# Altium PCB rt10.PcbDoc (part 1 of 3)
Units mm, origin at the board's own origin, x right, y up, seen from the top; angles counter-clockwise.
Board outline 35.56 x 44.45 mm, 8 copper layers (Top, L2, L3, L4, L5, L6, L7, Bottom), stack 1.19 mm thick; 220 components, 216 nets, 974 pads, 557 vias.
Unrouted connection lines stored in the file: 1.
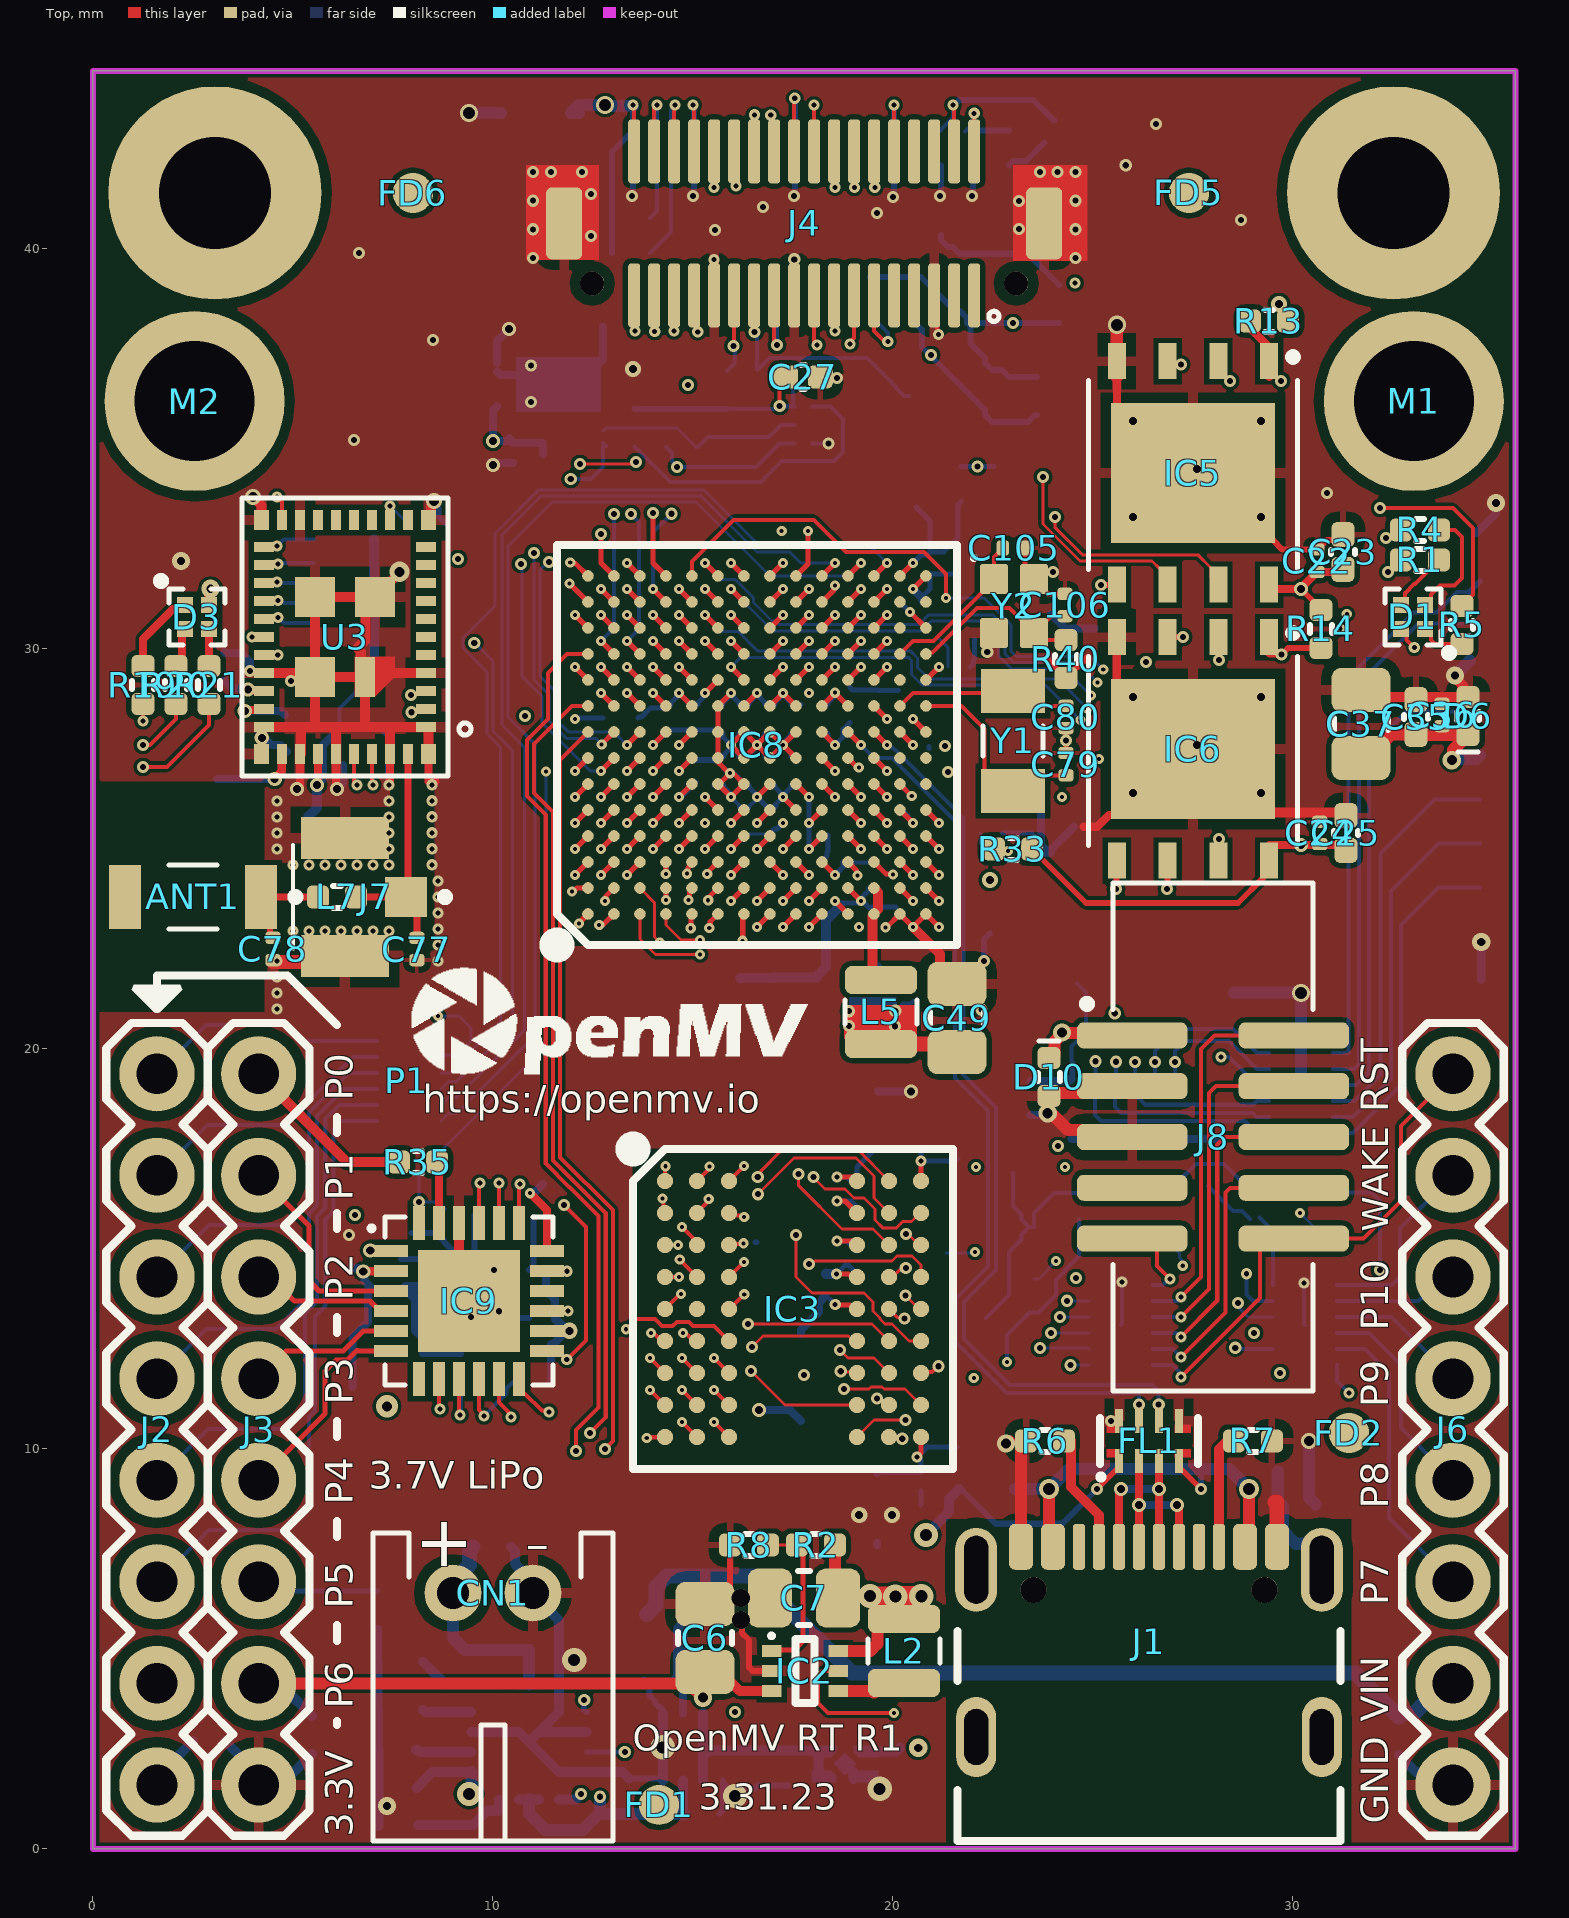
[diagram p0: Top view]
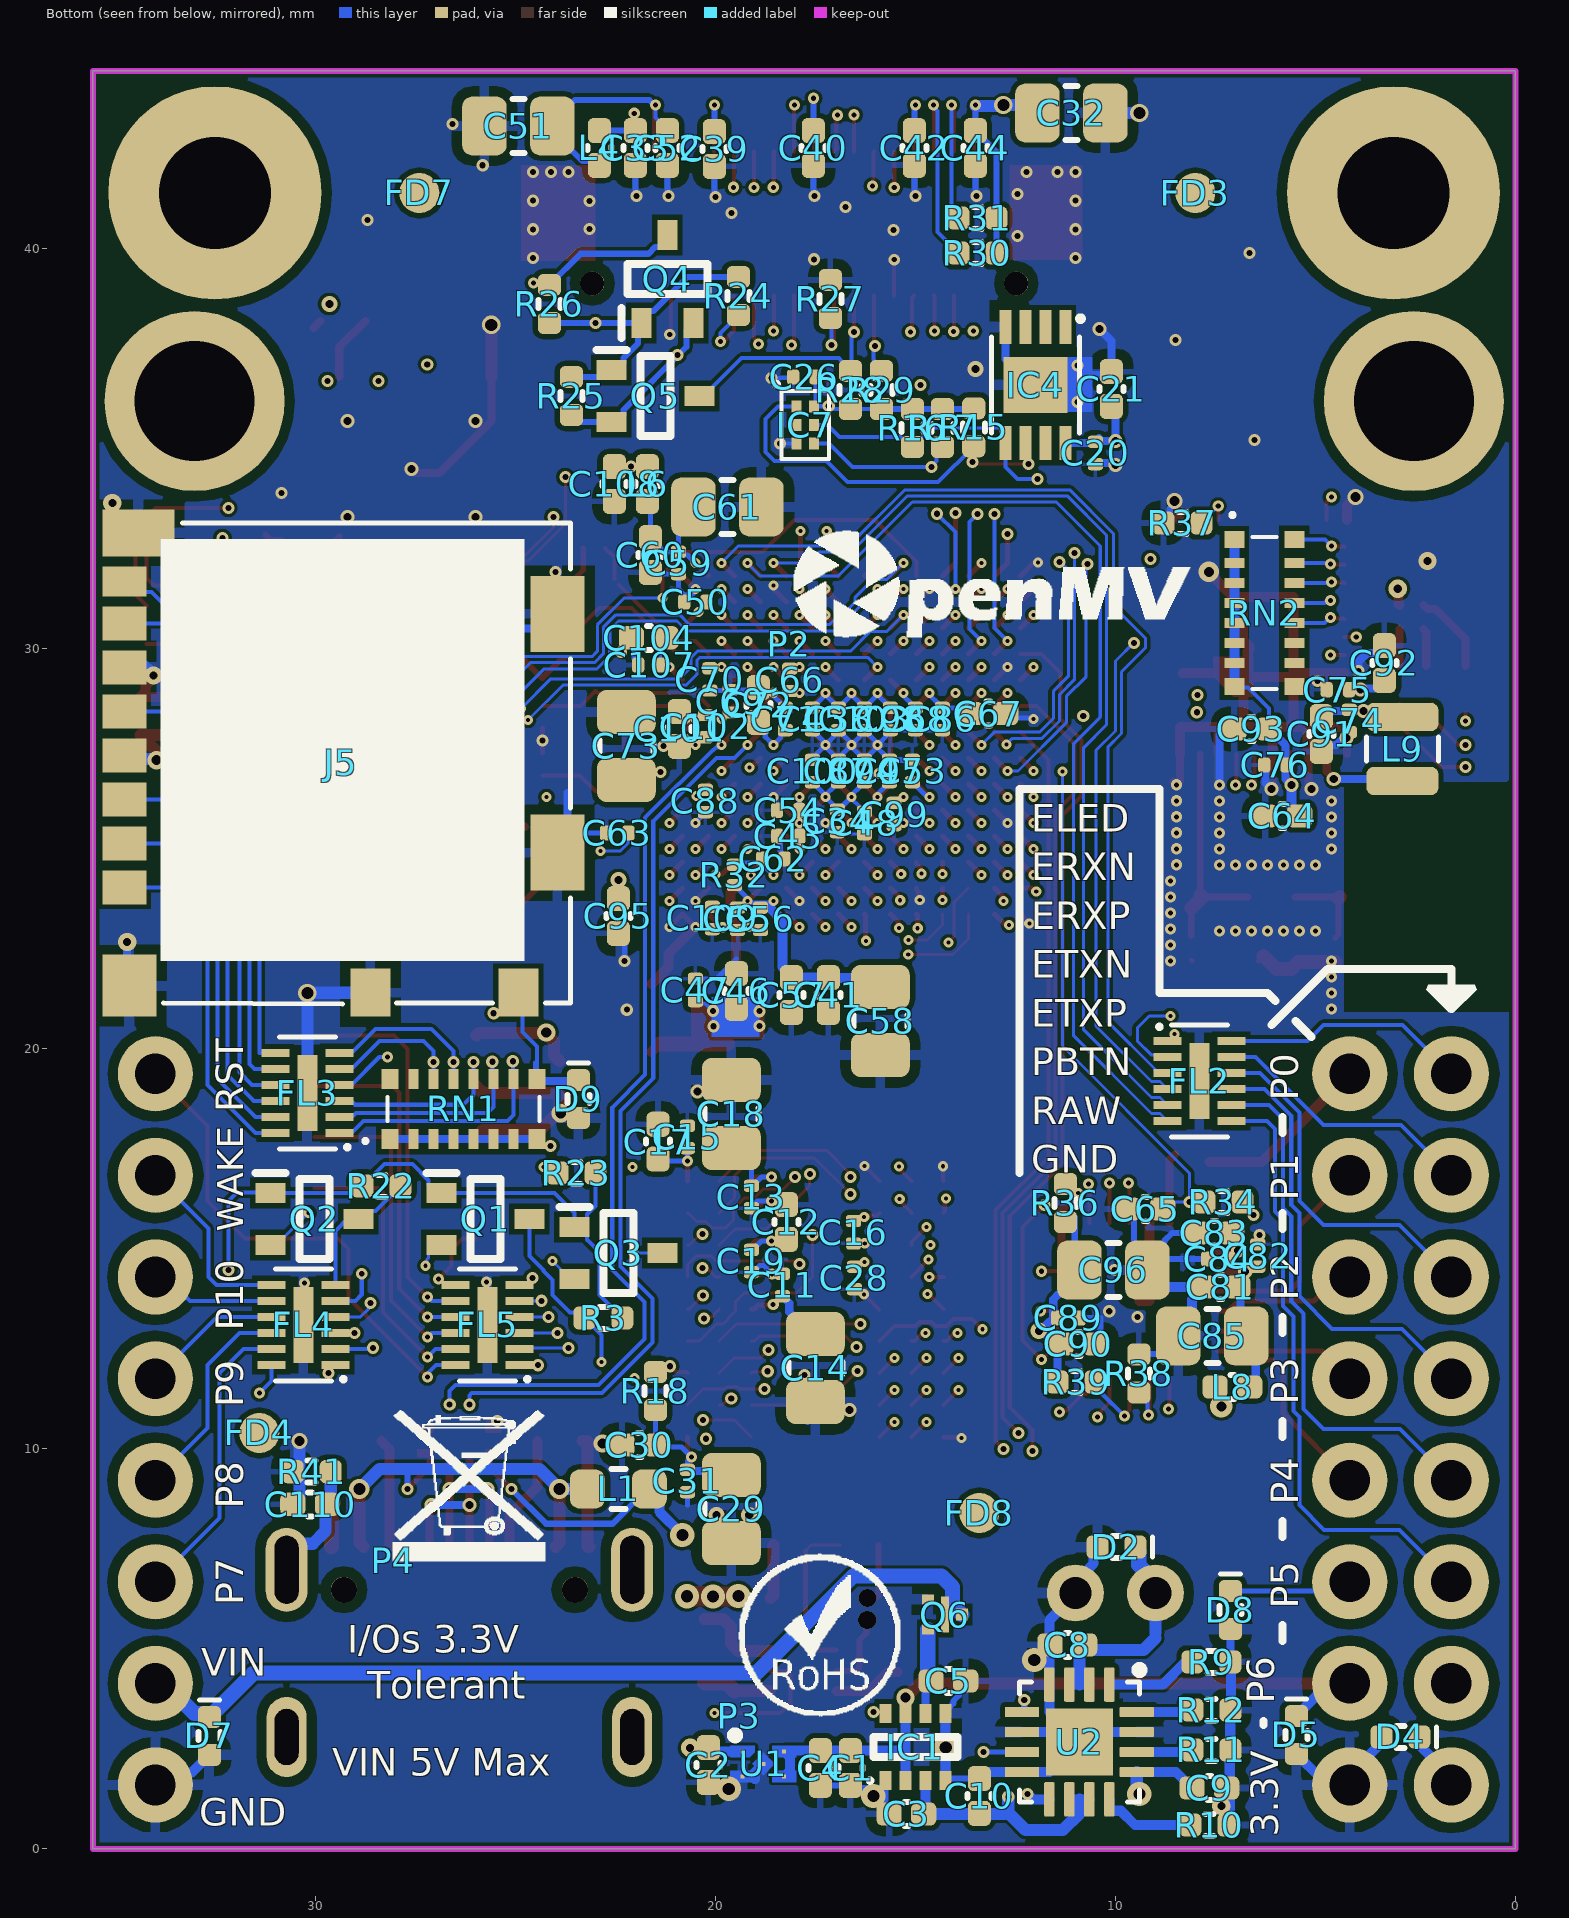
[diagram p1: Bottom view, seen from below]
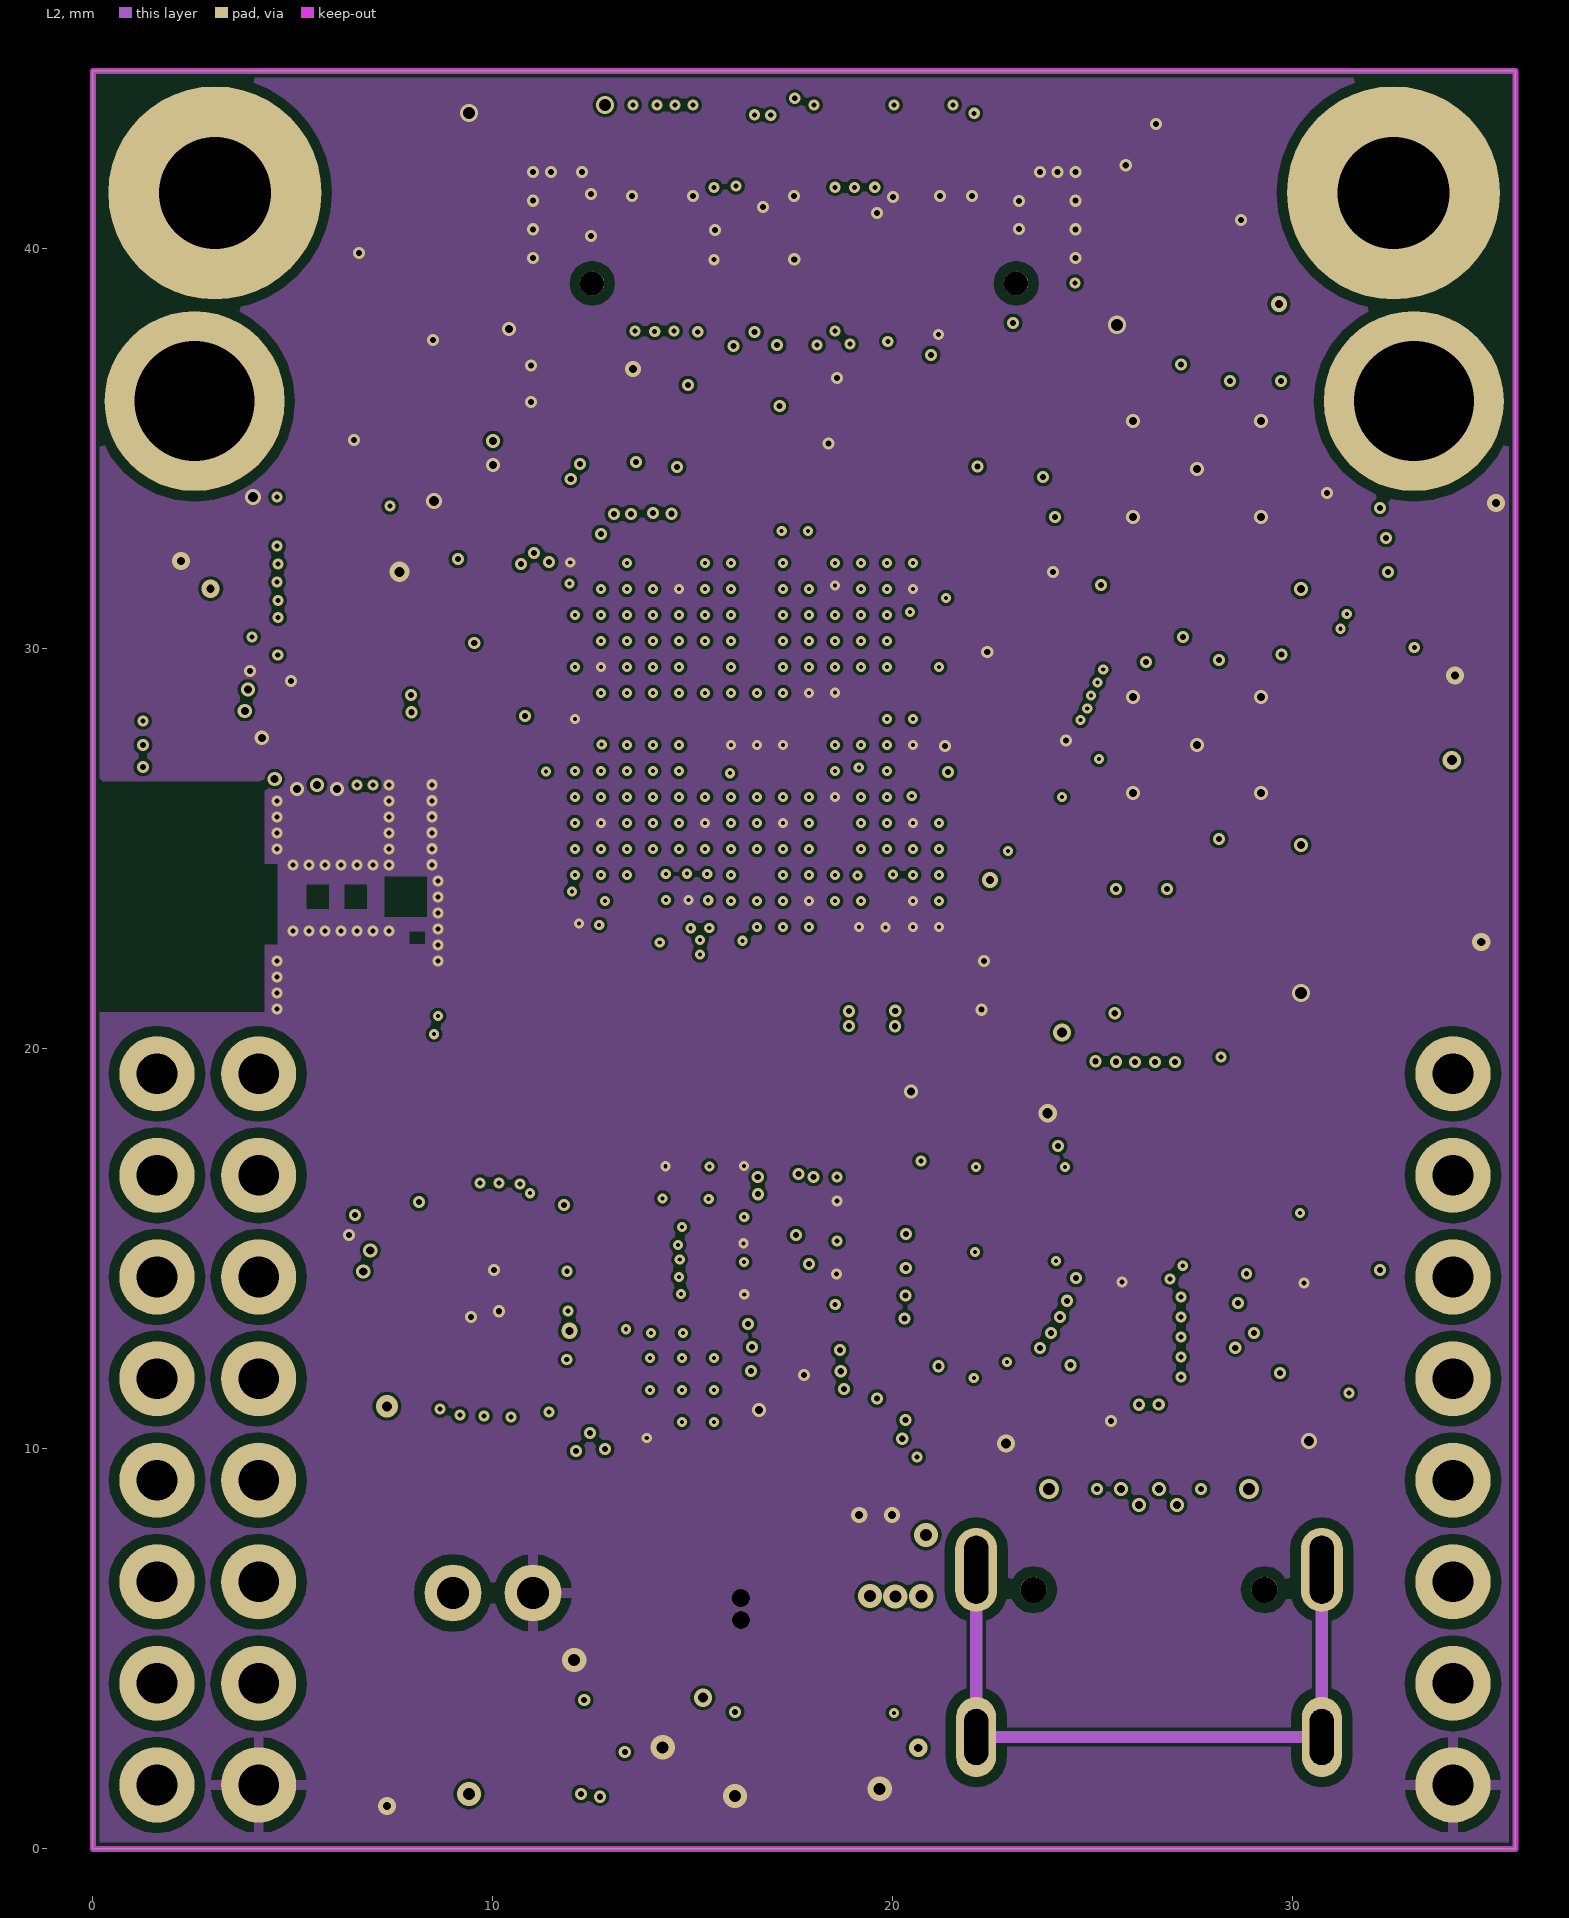
[diagram p2: L2]
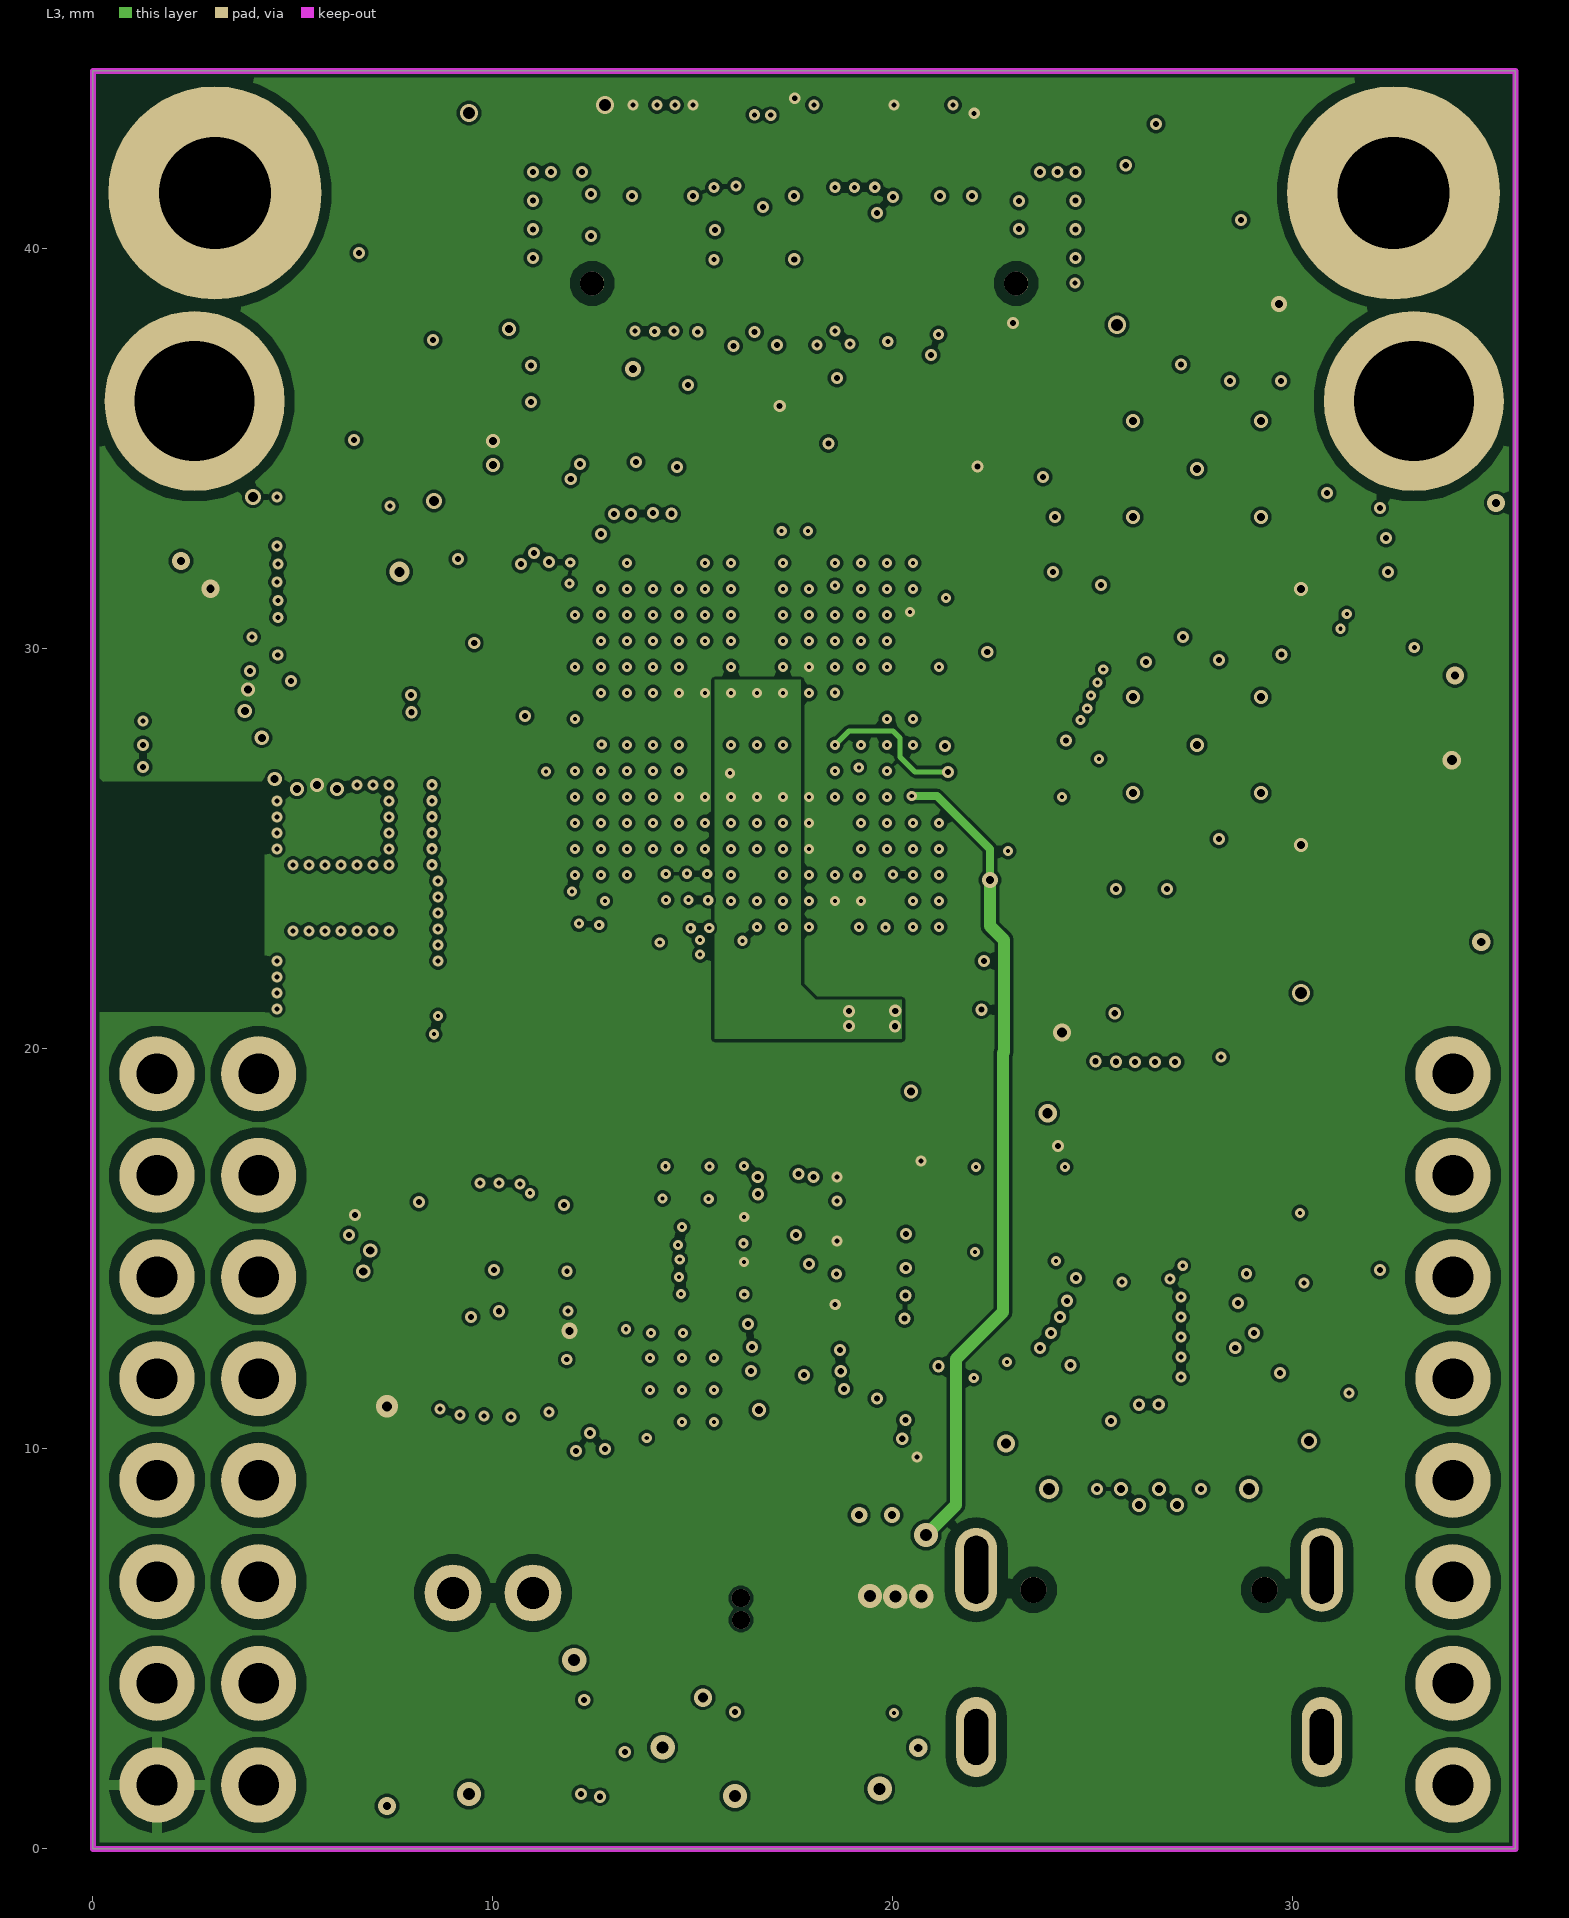
[diagram p3: L3]
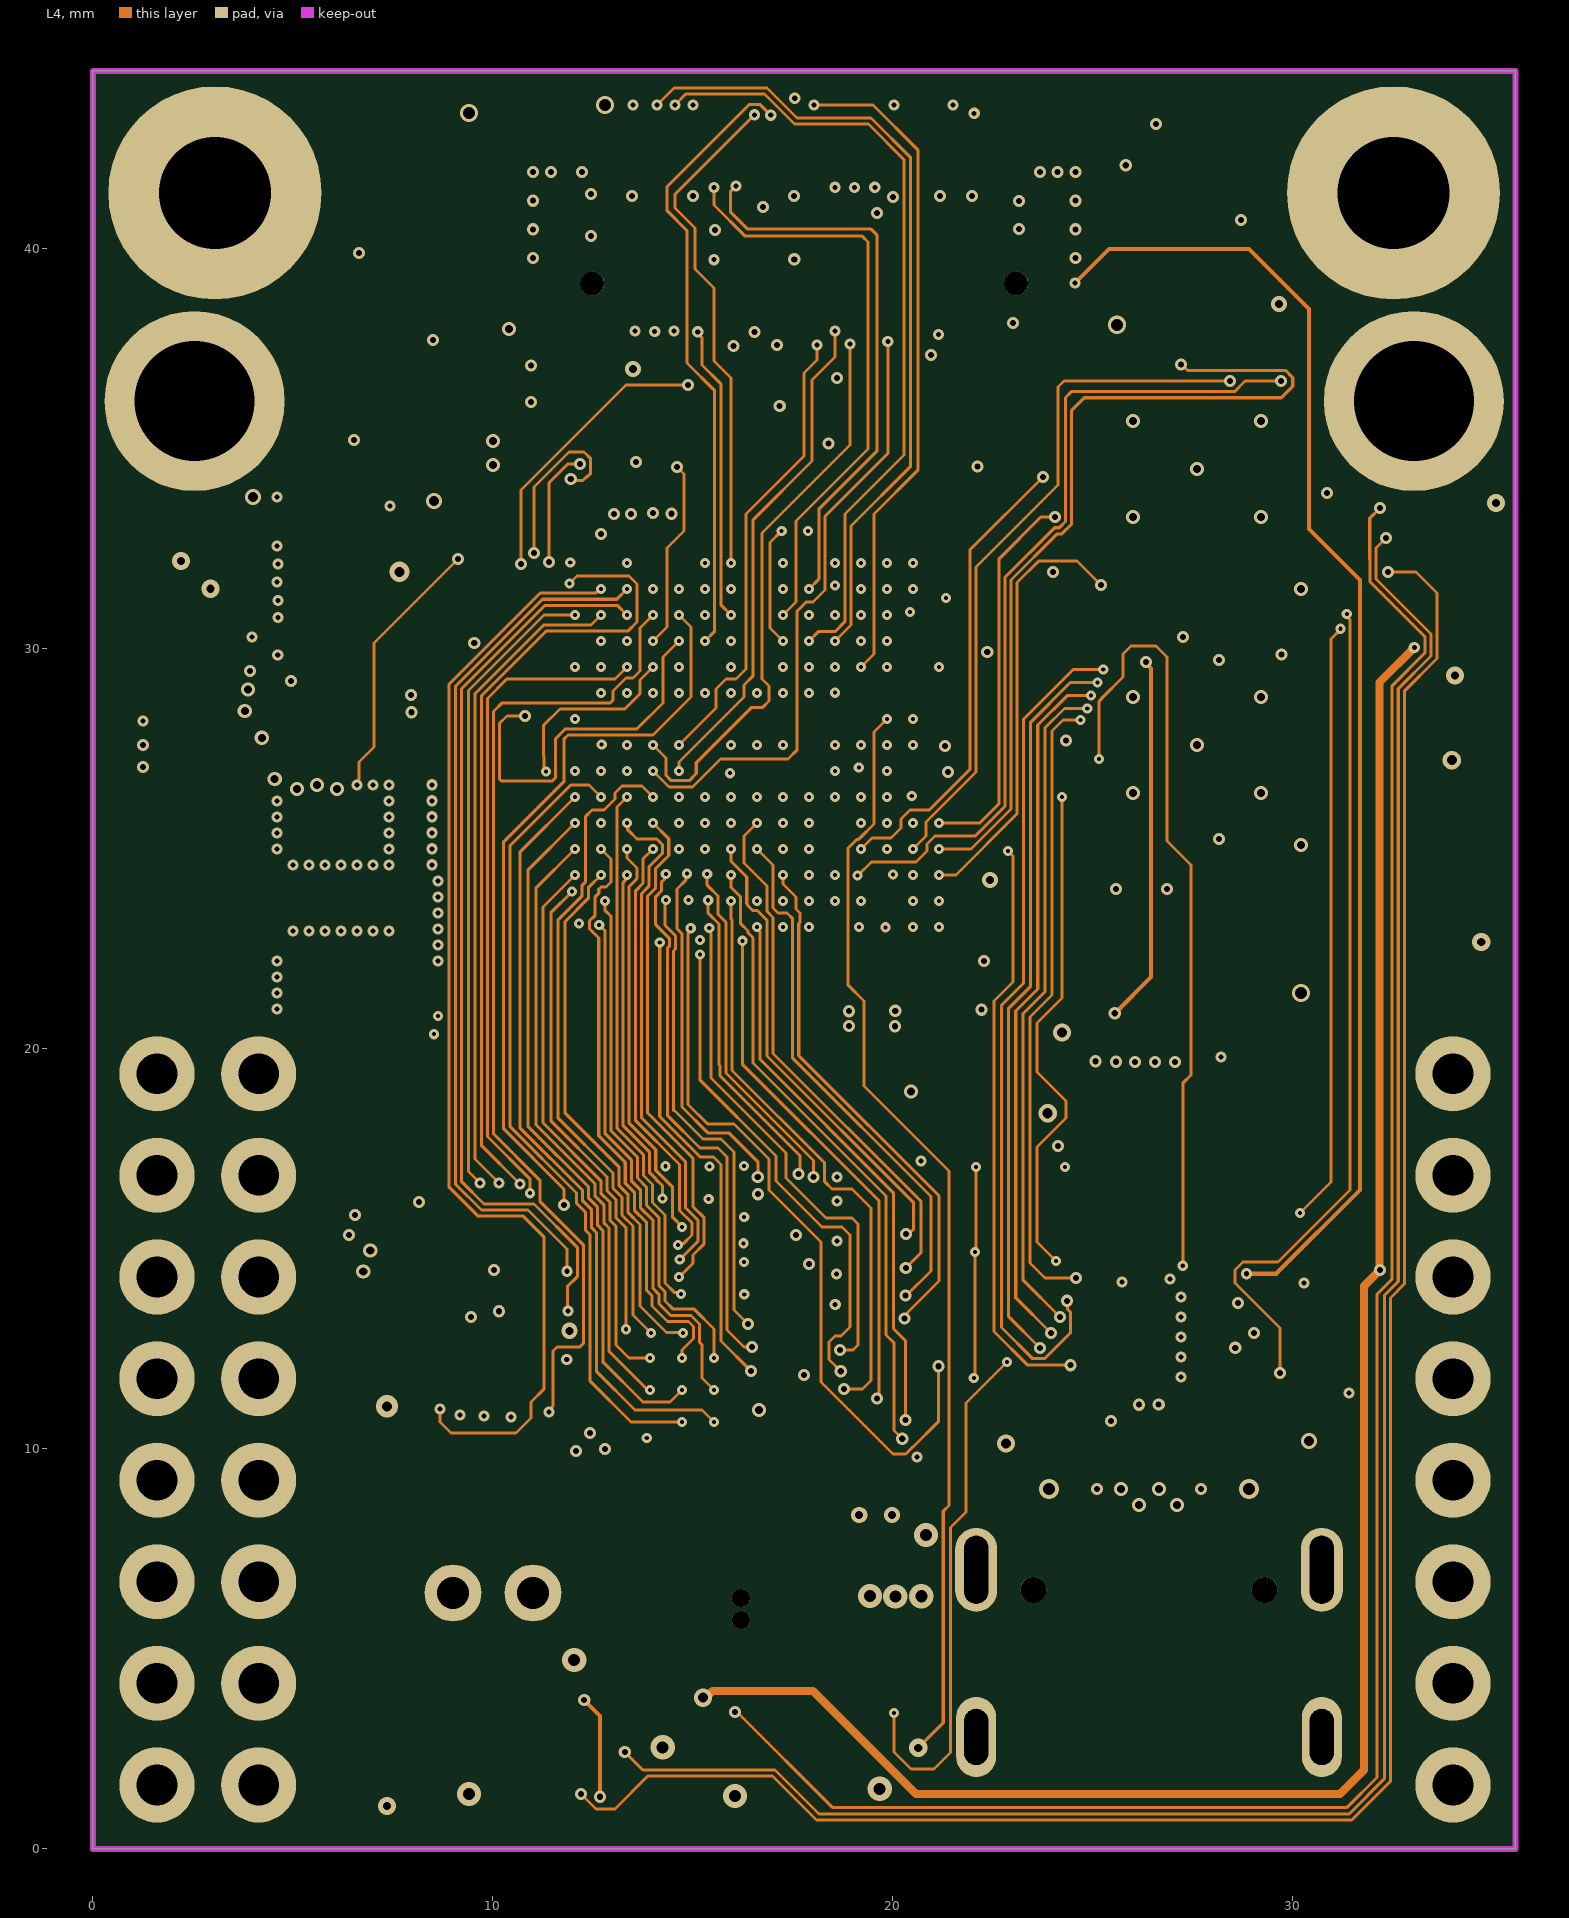
[diagram p4: L4]